# Allegro board REF_038HX-888005K4R-A100.brd (continued)
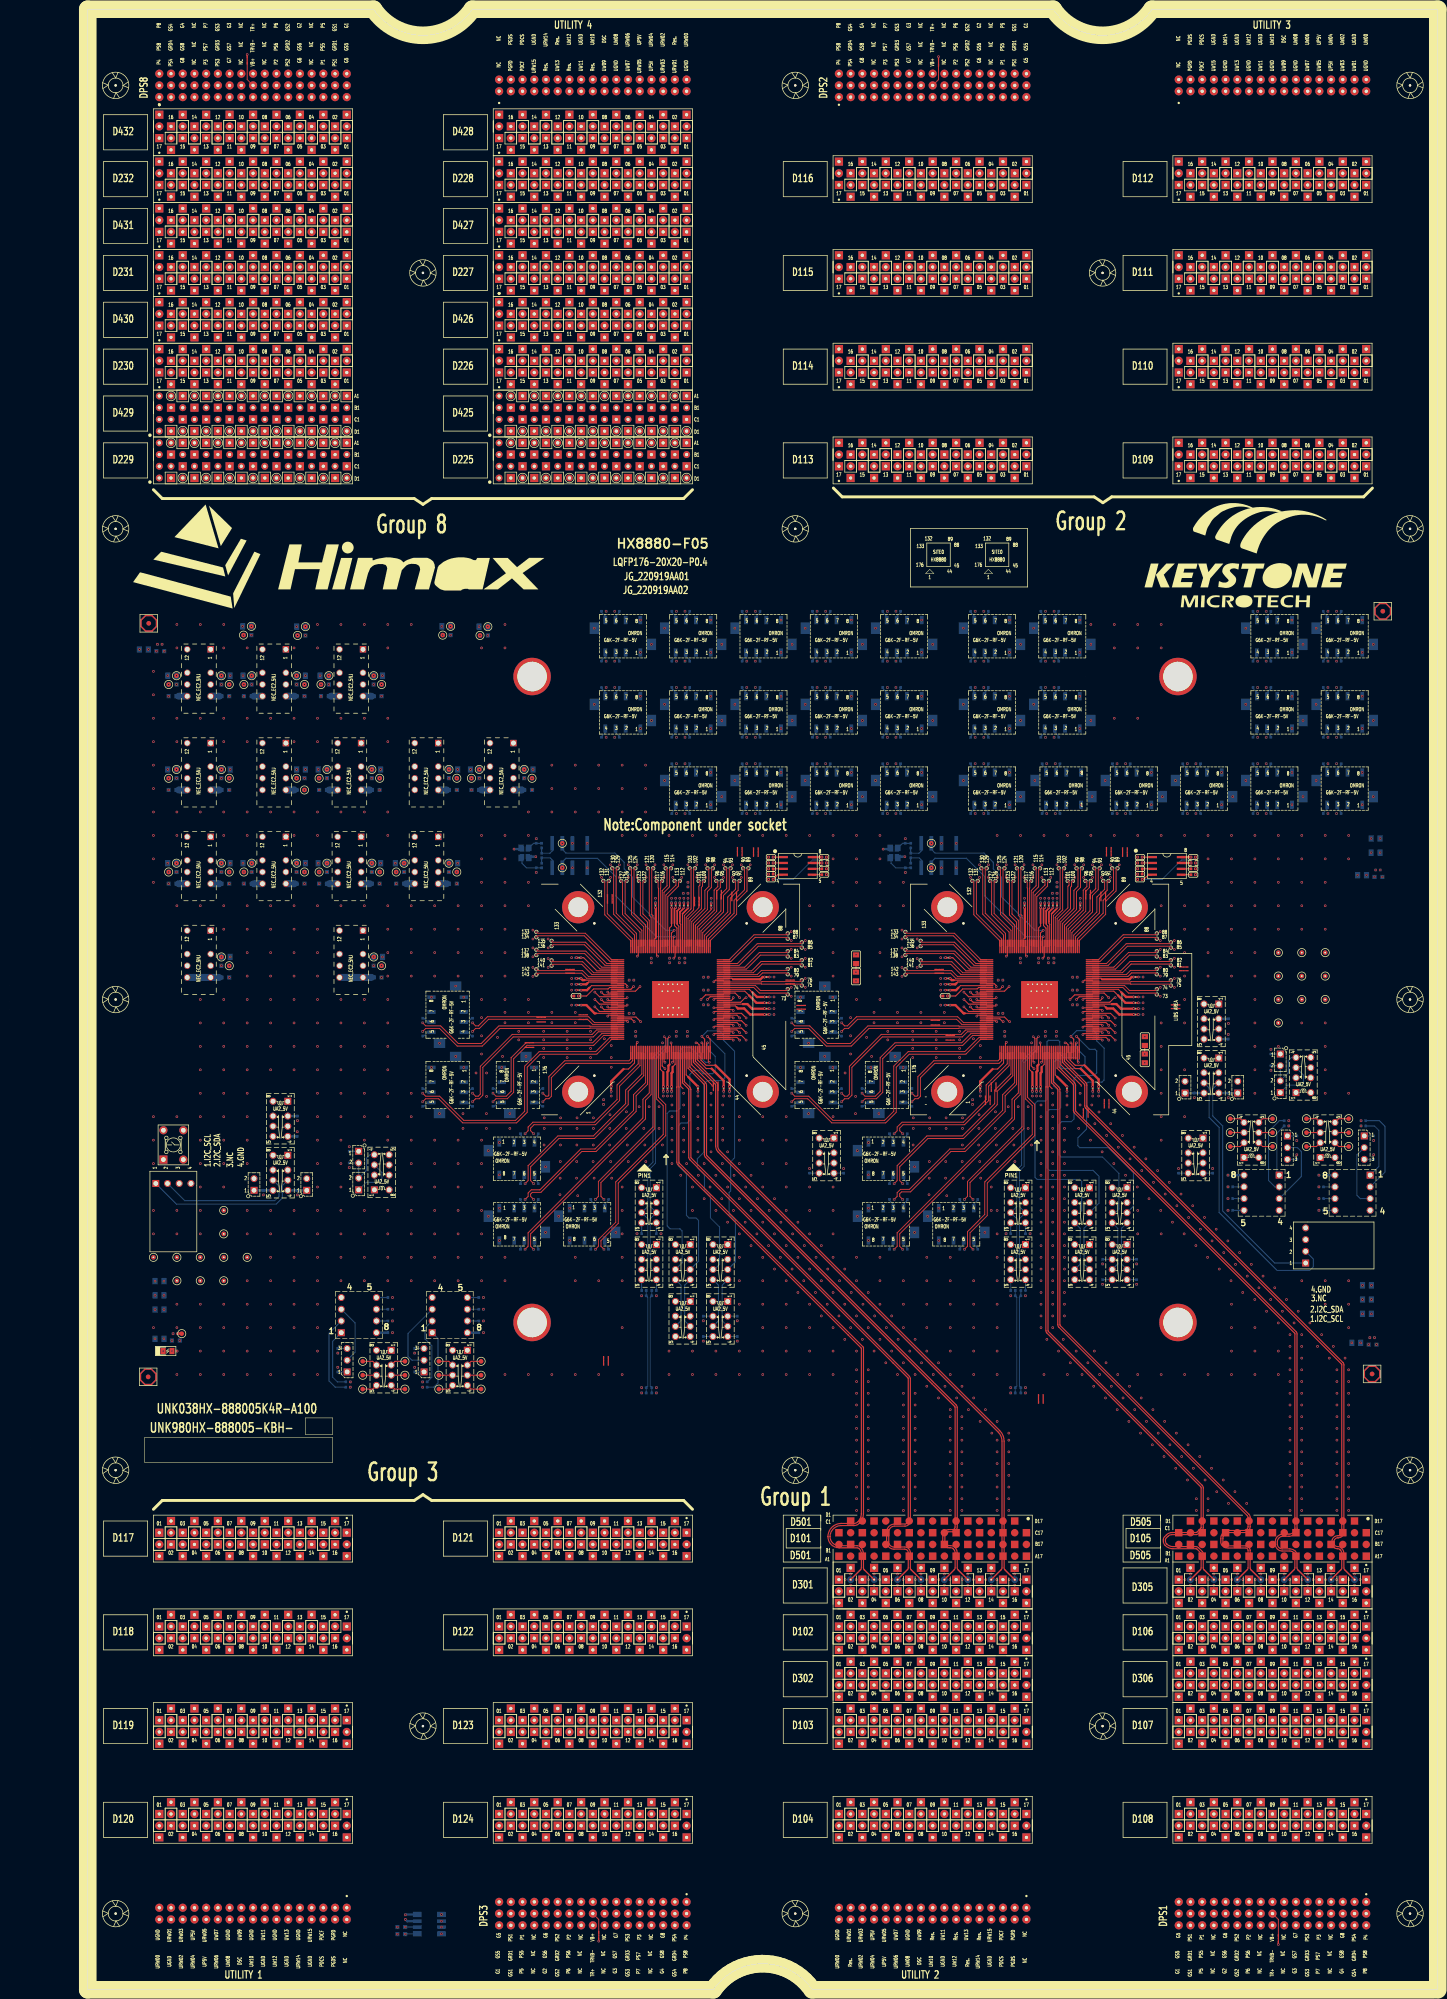
[diagram p0: board, top side]
## Placement (name value [footprint] x y rotation side) (continued)
UNK2RP9  0-5-S4  [R0402]  213.98 216.67 180 bottom
UNK2RP10  0-5-S4  [R0402]  209.43 223.09 270 bottom
UNK2RP11  0-5-S4  [R0402]  202.16 223.09 270 bottom
UNK2RP12  0-5-S4  [R0402]  197.86 218.83 0 bottom
UNK2RT1  10K-1-S4  [R0402]  228.07 244.22 0 top
UNK2RT2  10K-1-S4  [R0402]  228.07 245.49 0 top
UNK2RT3  10K-1-S4  [R0402]  228.07 241.81 180 top
UNK2RT4  10K-1-S4  [R0402]  228.07 240.67 180 top
UNK2RT5  NC/10K-1-S4  [R0402]  228.07 242.95 180 top
UNK2RT6  NC/10K-1-S4  [R0402]  239.63 245.49 180 top
UNK2RT7  NC/10K-1-S4  [R0402]  239.63 242.95 180 top
UNK2RT8  NC/10K-1-S4  [R0402]  239.63 241.68 180 top
UNK2RT9  RTD-100-S8  [R0805]  229.15 205.62 90 top
UNK2RT10  0-5-S8  [R0805]  229.13 201.86 90 top
UNK2S1_I2C  HDR-4X1-MR-A  [JP_4P_100_R90_V1]  264 157.51 0 top
UNK2S1_RST_N  HDR-2X1-M  [JP_2P_100]  258.5 194.46 180 bottom
UNK2SK1  UA2-5NJ-A-V3  [RL_NECUA2_5V_V3]  252.24 183.98 270 bottom
UNK2SK2  UA2-5NJ-A-V3  [RL_NECUA2_5V_V3]  268.75 183.98 270 bottom
UNK2TP_AUXVCC  TP01  [TP_040_T]  47.18 295.44 180 top
UNK2TP_AVDD11_RX  TP01  [TP_040_T]  19.24 284.81 180 top
UNK2TP_AVDD11_XTAL  TP01  [TP_040_T]  45.28 262.58 0 top
UNK2TP_AVDD18_RX  TP01  [TP_040_T]  28.97 284.81 0 top
UNK2TP_PLL_M_VDD33  TP01  [TP_040_T]  45.28 244.17 0 top
UNK2TP_PLL_TX_VDD33  TP01  [TP_040_T]  35.55 244.17 180 top
UNK2TP_VCC3V3  TP01  [TP_040_T]  35.47 295.51 180 top
UNK2TP_VDD_IO_33  TP01  [TP_040_T]  35.55 284.81 180 top
UNK2TP_VDD_TXREG_33_B  TP01  [TP_040_T]  28.97 244.17 0 top
UNK2TP_VDD_TXREG_33_T  TP01  [TP_040_T]  19.24 244.17 180 top
UNK2TP_VDDA_33_LV  TP01  [TP_040_T]  45.28 284.81 0 top
UNK2TP_VDDC_11  TP01  [TP_040_T]  28.97 223.85 0 top
UNK2TP_VDDTXPST_11_B  TP01  [TP_040_T]  28.97 264.49 0 top
UNK2TP_VDDTXPST_11_T  TP01  [TP_040_T]  19.24 264.49 180 top
UNK2TP_XTAL_IN  TP01  [TP_040_T]  182.86 243.18 0 top
UNK2TP_XTAL_OUT  TP01  [TP_040_T]  182.86 248.48 0 top
UNK2U1  SOLDER-DIP8-SOCKET  [DIP8_300X100_RLPIN]  258.26 176.56 180 bottom
UNK2U2  SOLDER-DIP8-SOCKET  [DIP8_300X100_RLPIN]  277.97 176.56 180 bottom
UNK2UT1  ADT7410TRZ-SO8  [SO8_244X127MM]  233.92 243.59 0 top
UNK2Y1  XTAL27M-S2520-ABRACON-10P  [XTAL_2X2P5MM_4P]  174.77 246.4 270 bottom
UNK2Y2  NC/XTAL27M-S3225-TXC-10P  [XTAL_3P2X2P5MM_4P_TXC_0201]  174.77 246.4 270 bottom
UNK038HX-888005K4R-A100  REF-CODE-PCB  [PCB_CODE]  -1.03 116.16 0 top
UNK980HX-888005-KBH-  REF-CODE-PCB  [PCB_CODE]  -17 217.75 0 top
UT1  ADT7410TRZ-SO8  [SO8_244X127MM]  153.92 243.59 0 top
UT_UP5V  TP01  [TP_040_T]  20.37 142.21 270 top
UTL1  V93K_UTL  [PG_VG93K_F_G3UTI1]  35.83 16.51 0 top
UTL2  V93K_UTL  [PG_VG93K_F_G1UTI2]  183.15 16.51 0 top
UTL3  V93K_UTL  [PG_VG93K_F_G2UTI3]  256.81 412.75 0 top
UTL4  V93K_UTL  [PG_VG93K_F_G8UTI4]  109.49 412.75 0 top
Y1  XTAL27M-S2520-ABRACON-10P  [XTAL_2X2P5MM_4P]  94.77 246.4 270 bottom
Y2  NC/XTAL27M-S3225-TXC-10P  [XTAL_3P2X2P5MM_4P_TXC_0201]  94.77 246.4 270 bottom

## Library data of the parts
2SH1-2SH28 SB1-SB3 SB8 SH1-SH28 = SHORT: User Part Number: PNXXXXXXXXXX; Tolerance: TOL
BD29-BD40 = BD120-3A-S8: User Part Number: PNXXXXXXXXXX; Tolerance: TOL
BR902 = 330-1-S4: User Part Number: PNXXXXXXXXXX; Tolerance: TOL
C3 C4 C7-C9 CB1 CB3 CB5 CB7 CB19 CT1 UNK2C3 UNK2C4 UNK2C7-UNK2C9 UNK2CT1 = 0.1U-16-X-S4-MU: User Part Number: PNXXXXXXXXXX; Tolerance: TOL
C5 C6 UNK2C5 UNK2C6 = 22P-50-N-S4-AVX: User Part Number: PNXXXXXXXXXX; Tolerance: TOL
CA1 CA3 CA5 CA7 CA9 CA11 CA14 CA16 CA18 CA20-CA29 CA31 CA32 CA34 CA35 CA37 CA38 CA40 UNK2CA1 UNK2CA3 UNK2CA5 UNK2CA7 UNK2CA9 UNK2CA11 UNK2CA14 UNK2CA16 UNK2CA18 UNK2CA20-UNK2CA29 UNK2CA31 UNK2CA32 UNK2CA34 UNK2CA35 UNK2CA37 UNK2CA38 UNK2CA40 = 10U-10-X6S-S6-MU: User Part Number: PNXXXXXXXXXX; Tolerance: TOL
CA2 CA4 CA6 CA8 CA10 CA12 CA13 CA15 CA17 CA19 CA30 CA33 CA36 CA39 UNK2CA2 UNK2CA4 UNK2CA6 UNK2CA8 UNK2CA10 UNK2CA12 UNK2CA13 UNK2CA15 UNK2CA17 UNK2CA19 UNK2CA30 UNK2CA33 UNK2CA36 UNK2CA39 = 47U-10-X5R-S8-TDK: User Part Number: PNXXXXXXXXXX; Tolerance: TOL
CB2 CB4 CB6 CB8 = 10U-25-X-S6: User Part Number: PNXXXXXXXXXX; Tolerance: TOL
CC1 CC4 CC6-CC9 CC11 CC13 CC19 CC22 CC25-CC37 CC39 UNK2CC1 UNK2CC4 UNK2CC6-UNK2CC9 UNK2CC11 UNK2CC13 UNK2CC19 UNK2CC22 UNK2CC25-UNK2CC37 UNK2CC39 = 0.47U-10-X6S-S2-TY: User Part Number: PNXXXXXXXXXX; Tolerance: TOL
CC2 CC20 CC23 UNK2CC2 UNK2CC20 UNK2CC23 = 4.7U-10-X6T-S4-MU: User Part Number: PNXXXXXXXXXX; Tolerance: TOL
CC15-CC17 CC38 CC40-CC42 UNK2CC15-UNK2CC17 UNK2CC38 UNK2CC40-UNK2CC42 = 4.7U-2.5-X6S-S2-MU: User Part Number: PNXXXXXXXXXX; Tolerance: TOL
CD1 CD3-CD25 UNK2CD1 UNK2CD3-UNK2CD25 = 0.1U-10-X7R-S2-MU: User Part Number: PNXXXXXXXXXX; Tolerance: TOL
CSDPS225 CSDPS229 CSDPS425 CSDPS429 = V93K_CSDPS_DPS32: User Part Number: PNXXXXXXXXXX; Tolerance: TOL
D101/D501 D105/D505 = V93K_PS1600_HD: User Part Number: PNXXXXXXXXXX; Tolerance: TOL
D102-D104 D106-D124 D226-D228 D230-D232 D301 D302 D305 D306 D426-D428 D430-D432 = V93K_CH: Tolerance: TOL; User Part Number: PNXXXXXXXXXX
DPS1-DPS3 DPS8 = V93K_DPS: Tolerance: TOL; User Part Number: PNXXXXXXXXXX
FD1-FD8 = FD_040_V2: Tolerance: TOL; User Part Number: PNXXXXXXXXXX
GND1-GND14 SK1_2-SK1_7 SK2_2-SK2_7 TP_AUXVCC TP_AVDD11_RX TP_AVDD11_XTAL TP_AVDD18_RX TP_PLL_M_VDD33 TP_PLL_TX_VDD33 TP_VCC3V3 TP_VDD_IO_33 TP_VDD_TXREG_33_B TP_VDD_TXREG_33_T TP_VDDA_33_LV TP_VDDC_11 TP_VDDTXPST_11_B TP_VDDTXPST_11_T TP_XTAL_IN TP_XTAL_OUT UNK1SK1_2-UNK1SK1_7 UNK1SK2_2-UNK1SK2_7 UNK2GND1-UNK2GND14 UNK2TP_AUXVCC UNK2TP_AVDD11_RX UNK2TP_AVDD11_XTAL UNK2TP_AVDD18_RX UNK2TP_PLL_M_VDD33 UNK2TP_PLL_TX_VDD33 UNK2TP_VCC3V3 UNK2TP_VDD_IO_33 UNK2TP_VDD_TXREG_33_B UNK2TP_VDD_TXREG_33_T UNK2TP_VDDA_33_LV UNK2TP_VDDC_11 UNK2TP_VDDTXPST_11_B UNK2TP_VDDTXPST_11_T UNK2TP_XTAL_IN UNK2TP_XTAL_OUT UT_UP5V = TP01: Tolerance: TOL; User Part Number: PNXXXXXXXXXX
HX8880-F05 LQFP176-20X20-P0.4 = REF-CODE-CHIP
J1 J4 J5 S1_RST_N UNK2J1 UNK2J4 UNK2J5 UNK2S1_RST_N = HDR-2X1-M: Tolerance: TOL; User Part Number: PNXXXXXXXXXX
J2 J3 UNK2J2 UNK2J3 = HDR-3X1-M: Tolerance: TOL; User Part Number: PNXXXXXXXXXX
JG_220919AA01 JG_220919AA02 = REF-CODE-SOCKET
K1-K8 K11 K16 K17 K21-K27 K29 K30 UNK2K1-UNK2K8 UNK2K11 UNK2K16 UNK2K17 UNK2K21-UNK2K27 UNK2K29 UNK2K30 = G6K-2F-RF-5V-A: Tolerance: TOL; User Part Number: PNXXXXXXXXXX
K9 K10 K12-K15 K19 K20 K28 K33 SK1 SK2 UNK2K9 UNK2K10 UNK2K12-UNK2K15 UNK2K19 UNK2K20 UNK2K28 UNK2K33 UNK2SK1 UNK2SK2 = UA2-5NJ-A-V3: Tolerance: TOL; User Part Number: PNXXXXXXXXXX
K18 UNK2K18 = UB2-5NU-B: Tolerance: TOL; User Part Number: PNXXXXXXXXXX
K31 K34 K36 K37 K39 K40 K42 UNK2K31 UNK2K34 UNK2K36 UNK2K37 UNK2K39 UNK2K40 UNK2K42 = EC2-5NJ-A: Tolerance: TOL; User Part Number: PNXXXXXXXXXX
LD902 = LDG-2-S8: User Part Number: PNXXXXXXXXXX; Tolerance: TOL
LOGO1 = LOGO_KT_KSMT
LOGO2 = LOGO_HX_Himax
R1 R2 R6 UNK2R1 UNK2R2 UNK2R6 = 1M-1-S4: User Part Number: PNXXXXXXXXXX; Tolerance: TOL
R3 R4 R85 UNK2R3 UNK2R4 UNK2R85 = 100K-1-S4: User Part Number: PNXXXXXXXXXX; Tolerance: TOL
R5 R118 R125-R130 R133 RP1-RP12 UNK2R5 UNK2R118 UNK2R125-UNK2R130 UNK2R133 UNK2RP1-UNK2RP12 = 0-5-S4: User Part Number: PNXXXXXXXXXX; Tolerance: TOL
R7-R80 R100-R105 UNK2R7-UNK2R80 UNK2R100-UNK2R105 = 49.9-1-S4: User Part Number: PNXXXXXXXXXX; Tolerance: TOL
R82-R84 R86-R99 R119 R120 UNK2R82-UNK2R84 UNK2R86-UNK2R99 UNK2R119 UNK2R120 = 4.7K-1-S4-WA: User Part Number: PNXXXXXXXXXX; Tolerance: TOL
R117 UNK2R117 = 1K-1-S4: User Part Number: PNXXXXXXXXXX; Tolerance: TOL
R131 R132 UNK2R131 UNK2R132 = 50-0.1-S4-HF-VI: User Part Number: PNXXXXXXXXXX; Tolerance: TOL
RB1 RB2 = 10K-1-S6: User Part Number: PNXXXXXXXXXX; Tolerance: TOL
RT1-RT8 UNK2RT1-UNK2RT8 = 10K-1-S4: User Part Number: PNXXXXXXXXXX; Tolerance: TOL
RT9 UNK2RT9 = RTD-100-S8: User Part Number: PNXXXXXXXXXX; Tolerance: TOL
RT10 UNK2RT10 = 0-5-S8: User Part Number: PNXXXXXXXXXX; Tolerance: TOL
S1_I2C UNK2S1_I2C = HDR-4X1-MR-A: Tolerance: TOL; User Part Number: PNXXXXXXXXXX
SCREW1 = V93KHSCREW: Tolerance: TOL; User Part Number: PNXXXXXXXXXX
SITE1 SITE2 = CU/HX8880-F05-LQFP176-20X20: User Part Number: PNXXXXXXXXXX; Tolerance: TOL
SKB1 = V93K_SKB_140X140MM: Tolerance: TOL; User Part Number: PNXXXXXXXXXX
SW1 = SW-TACTILE-1-D4.5: Tolerance: TOL; User Part Number: PNXXXXXXXXXX
TPL1-TPL20 = TPL01: Tolerance: TOL; User Part Number: PNXXXXXXXXXX
U1 U2 UNK2U1 UNK2U2 = MX25V4006EM1I-13G-SO8: User Part Number: PNXXXXXXXXXX; Tolerance: TOL
UB1 = AT24C08-D: User Part Number: PNXXXXXXXXXX; Tolerance: TOL
UNK2UT1 UT1 = ADT7410: Tolerance: TOL; User Part Number: PNXXXXXXXXXX
UNK2Y1 Y1 = XTAL27M-S2520-ABRACON-10P: User Part Number: PNXXXXXXXXXX; Tolerance: TOL
UNK2Y2 Y2 = XTAL27M-S3225-TXC-10P: User Part Number: PNXXXXXXXXXX; Tolerance: TOL
UNK038HX-888005K4R-A100 UNK980HX-888005-KBH- = REF-CODE-PCB
UTL1-UTL4 = V93K_UTL: User Part Number: PNXXXXXXXXXX; Tolerance: TOL

## Footprints (pads in the part's own frame, mm; a bottom-side part is the same pattern mirrored in y, then rotated)
C0201
  rect 0.305x0.356 smd: 1(-0.3,0) 2(0.3,0)
C0402
  custom 0.15x0.15 smd: 1(-0.5,0) 2(0.5,0)
C0603
  rect 0.889x0.889 smd: 1(-0.85,0) 2(0.85,0)
C0805
  rect 1.118x1.372 smd: 1(-0.95,0) 2(0.95,0)
CHIP_CODE
  round 0.051 smd: 1(0,0)
DEFAULT_SHORT_SMALL
  custom 0.07x0.07 smd: 1(-0.5,0) 2(0.5,0)
DIP8_300X100_RLPIN
  rect 1.524x1.524 hole 1.041: 1(0,0)
  round 1.524 hole 1.041: 2(0,-2.54) 3(0,-5.08) 4(0,-7.62) 5(7.62,-7.62) 6(7.62,-5.08) 7(7.62,-2.54) 8(7.62,0)
FB0805
  rect 1.118x1.372 smd: 1(-0.965,0) 2(0.965,0)
FD_040_V2
  round 1.016 smd: 1(0,0)
JP_2P_100
  rect 1.524x1.524 hole 1.016: 1(0,0)
  round 1.524 hole 1.016: 2(0,2.54)
JP_3P_100
  rect 1.524x1.524 hole 1.016: 1(0,0)
  round 1.524 hole 1.016: 2(0,2.54) 3(0,5.08)
JP_4P_100_R90_V1
  rect 1.524x1.524 hole 1.016: 1(0,0)
  round 1.524 hole 1.016: 2(0,2.54) 3(0,5.08) 4(0,7.62)
LED_0805
  rect 1.118x1.372 smd: 1(0.95,0) 2(-0.95,0)
LOGO_HX_HIMAX
  round 0.051 smd: 1(0.831,1.487)
LOGO_KT_KSMT
  round 0.051 smd: 1(-0.711,-0.711)
PCB_CODE
  round 0.051 smd: 1(0,0)
PG_VG93K_F_G1D102
  round 1.778 hole 0.711: 01(-20.32,-1.27) 02(-17.78,1.27) 03(-15.24,-1.27) 04(-12.7,1.27) 05(-10.16,-1.27) 06(-7.62,1.27) 07(-5.08,-1.27) 08(-2.54,1.27) 09(0,-1.27) 10(2.54,1.27) 11(5.08,-1.27) 12(7.62,1.27) 13(10.16,-1.27) 14(12.7,1.27) 15(15.24,-1.27) 16(17.78,1.27) 17(20.32,-1.27)
  rect 1.778x1.778 hole 0.711: A1(-20.32,-3.81) A2(-17.78,-1.27) A3(-15.24,-3.81) A4(-12.7,-1.27) A5(-10.16,-3.81) A6(-7.62,-1.27) A7(-5.08,-3.81) A8(-2.54,-1.27) A9(0,-3.81) A10(2.54,-1.27) A11(5.08,-3.81) A12(7.62,-1.27) A13(10.16,-3.81) A14(12.7,-1.27) A15(15.24,-3.81) A16(17.78,-1.27) A17(20.32,-3.81) B1(-20.32,1.27) B2(-17.78,3.81) B3(-15.24,1.27) B4(-12.7,3.81) B5(-10.16,1.27) B6(-7.62,3.81) B7(-5.08,1.27) B8(-2.54,3.81) B9(0,1.27) B10(2.54,3.81) B11(5.08,1.27) B12(7.62,3.81) B13(10.16,1.27) B14(12.7,3.81) B15(15.24,1.27) B16(17.78,3.81) B17(20.32,1.27)
PG_VG93K_F_G1D103
  round 1.778 hole 0.711: 01(-20.32,-1.27) 02(-17.78,1.27) 03(-15.24,-1.27) 04(-12.7,1.27) 05(-10.16,-1.27) 06(-7.62,1.27) 07(-5.08,-1.27) 08(-2.54,1.27) 09(0,-1.27) 10(2.54,1.27) 11(5.08,-1.27) 12(7.62,1.27) 13(10.16,-1.27) 14(12.7,1.27) 15(15.24,-1.27) 16(17.78,1.27) 17(20.32,-1.27)
  rect 1.778x1.778 hole 0.711: A1(-20.32,-3.81) A2(-17.78,-1.27) A3(-15.24,-3.81) A4(-12.7,-1.27) A5(-10.16,-3.81) A6(-7.62,-1.27) A7(-5.08,-3.81) A8(-2.54,-1.27) A9(0,-3.81) A10(2.54,-1.27) A11(5.08,-3.81) A12(7.62,-1.27) A13(10.16,-3.81) A14(12.7,-1.27) A15(15.24,-3.81) A16(17.78,-1.27) A17(20.32,-3.81) B1(-20.32,1.27) B2(-17.78,3.81) B3(-15.24,1.27) B4(-12.7,3.81) B5(-10.16,1.27) B6(-7.62,3.81) B7(-5.08,1.27) B8(-2.54,3.81) B9(0,1.27) B10(2.54,3.81) B11(5.08,1.27) B12(7.62,3.81) B13(10.16,1.27) B14(12.7,3.81) B15(15.24,1.27) B16(17.78,3.81) B17(20.32,1.27)
PG_VG93K_F_G1D104
  round 1.778 hole 0.711: 01(-20.32,-1.27) 02(-17.78,1.27) 03(-15.24,-1.27) 04(-12.7,1.27) 05(-10.16,-1.27) 06(-7.62,1.27) 07(-5.08,-1.27) 08(-2.54,1.27) 09(0,-1.27) 10(2.54,1.27) 11(5.08,-1.27) 12(7.62,1.27) 13(10.16,-1.27) 14(12.7,1.27) 15(15.24,-1.27) 16(17.78,1.27) 17(20.32,-1.27)
  rect 1.778x1.778 hole 0.711: A1(-20.32,-3.81) A2(-17.78,-1.27) A3(-15.24,-3.81) A4(-12.7,-1.27) A5(-10.16,-3.81) A6(-7.62,-1.27) A7(-5.08,-3.81) A8(-2.54,-1.27) A9(0,-3.81) A10(2.54,-1.27) A11(5.08,-3.81) A12(7.62,-1.27) A13(10.16,-3.81) A14(12.7,-1.27) A15(15.24,-3.81) A16(17.78,-1.27) A17(20.32,-3.81) B1(-20.32,1.27) B2(-17.78,3.81) B3(-15.24,1.27) B4(-12.7,3.81) B5(-10.16,1.27) B6(-7.62,3.81) B7(-5.08,1.27) B8(-2.54,3.81) B9(0,1.27) B10(2.54,3.81) B11(5.08,1.27) B12(7.62,3.81) B13(10.16,1.27) B14(12.7,3.81) B15(15.24,1.27) B16(17.78,3.81) B17(20.32,1.27)
PG_VG93K_F_G1D106
  round 1.778 hole 0.711: 01(-20.32,-1.27) 02(-17.78,1.27) 03(-15.24,-1.27) 04(-12.7,1.27) 05(-10.16,-1.27) 06(-7.62,1.27) 07(-5.08,-1.27) 08(-2.54,1.27) 09(0,-1.27) 10(2.54,1.27) 11(5.08,-1.27) 12(7.62,1.27) 13(10.16,-1.27) 14(12.7,1.27) 15(15.24,-1.27) 16(17.78,1.27) 17(20.32,-1.27)
  rect 1.778x1.778 hole 0.711: A1(-20.32,-3.81) A2(-17.78,-1.27) A3(-15.24,-3.81) A4(-12.7,-1.27) A5(-10.16,-3.81) A6(-7.62,-1.27) A7(-5.08,-3.81) A8(-2.54,-1.27) A9(0,-3.81) A10(2.54,-1.27) A11(5.08,-3.81) A12(7.62,-1.27) A13(10.16,-3.81) A14(12.7,-1.27) A15(15.24,-3.81) A16(17.78,-1.27) A17(20.32,-3.81) B1(-20.32,1.27) B2(-17.78,3.81) B3(-15.24,1.27) B4(-12.7,3.81) B5(-10.16,1.27) B6(-7.62,3.81) B7(-5.08,1.27) B8(-2.54,3.81) B9(0,1.27) B10(2.54,3.81) B11(5.08,1.27) B12(7.62,3.81) B13(10.16,1.27) B14(12.7,3.81) B15(15.24,1.27) B16(17.78,3.81) B17(20.32,1.27)
PG_VG93K_F_G1D107
  round 1.778 hole 0.711: 01(-20.32,-1.27) 02(-17.78,1.27) 03(-15.24,-1.27) 04(-12.7,1.27) 05(-10.16,-1.27) 06(-7.62,1.27) 07(-5.08,-1.27) 08(-2.54,1.27) 09(0,-1.27) 10(2.54,1.27) 11(5.08,-1.27) 12(7.62,1.27) 13(10.16,-1.27) 14(12.7,1.27) 15(15.24,-1.27) 16(17.78,1.27) 17(20.32,-1.27)
  rect 1.778x1.778 hole 0.711: A1(-20.32,-3.81) A2(-17.78,-1.27) A3(-15.24,-3.81) A4(-12.7,-1.27) A5(-10.16,-3.81) A6(-7.62,-1.27) A7(-5.08,-3.81) A8(-2.54,-1.27) A9(0,-3.81) A10(2.54,-1.27) A11(5.08,-3.81) A12(7.62,-1.27) A13(10.16,-3.81) A14(12.7,-1.27) A15(15.24,-3.81) A16(17.78,-1.27) A17(20.32,-3.81) B1(-20.32,1.27) B2(-17.78,3.81) B3(-15.24,1.27) B4(-12.7,3.81) B5(-10.16,1.27) B6(-7.62,3.81) B7(-5.08,1.27) B8(-2.54,3.81) B9(0,1.27) B10(2.54,3.81) B11(5.08,1.27) B12(7.62,3.81) B13(10.16,1.27) B14(12.7,3.81) B15(15.24,1.27) B16(17.78,3.81) B17(20.32,1.27)
PG_VG93K_F_G1D108
  round 1.778 hole 0.711: 01(-20.32,-1.27) 02(-17.78,1.27) 03(-15.24,-1.27) 04(-12.7,1.27) 05(-10.16,-1.27) 06(-7.62,1.27) 07(-5.08,-1.27) 08(-2.54,1.27) 09(0,-1.27) 10(2.54,1.27) 11(5.08,-1.27) 12(7.62,1.27) 13(10.16,-1.27) 14(12.7,1.27) 15(15.24,-1.27) 16(17.78,1.27) 17(20.32,-1.27)
  rect 1.778x1.778 hole 0.711: A1(-20.32,-3.81) A2(-17.78,-1.27) A3(-15.24,-3.81) A4(-12.7,-1.27) A5(-10.16,-3.81) A6(-7.62,-1.27) A7(-5.08,-3.81) A8(-2.54,-1.27) A9(0,-3.81) A10(2.54,-1.27) A11(5.08,-3.81) A12(7.62,-1.27) A13(10.16,-3.81) A14(12.7,-1.27) A15(15.24,-3.81) A16(17.78,-1.27) A17(20.32,-3.81) B1(-20.32,1.27) B2(-17.78,3.81) B3(-15.24,1.27) B4(-12.7,3.81) B5(-10.16,1.27) B6(-7.62,3.81) B7(-5.08,1.27) B8(-2.54,3.81) B9(0,1.27) B10(2.54,3.81) B11(5.08,1.27) B12(7.62,3.81) B13(10.16,1.27) B14(12.7,3.81) B15(15.24,1.27) B16(17.78,3.81) B17(20.32,1.27)
PG_VG93K_F_G1D301
  round 1.778 hole 0.711: 01(-20.32,-1.27) 03(-15.24,-1.27) 05(-10.16,-1.27) 07(-5.08,-1.27) 09(0,-1.27) 11(5.08,-1.27) 13(10.16,-1.27) 15(15.24,-1.27) 17(20.32,-1.27)
  round 0.66 hole 0.356: 02(-17.78,1.27) 04(-12.7,1.27) 06(-7.62,1.27) 08(-2.54,1.27) 10(2.54,1.27) 12(7.62,1.27) 14(12.7,1.27) 16(17.78,1.27)
  rect 1.778x1.778 hole 0.711: A1(-20.32,-3.81) A2(-17.78,-1.27) A3(-15.24,-3.81) A4(-12.7,-1.27) A5(-10.16,-3.81) A6(-7.62,-1.27) A7(-5.08,-3.81) A8(-2.54,-1.27) A9(0,-3.81) A10(2.54,-1.27) A11(5.08,-3.81) A12(7.62,-1.27) A13(10.16,-3.81) A14(12.7,-1.27) A15(15.24,-3.81) A16(17.78,-1.27) A17(20.32,-3.81) B1(-20.32,1.27) B2(-17.78,3.81) B3(-15.24,1.27) B4(-12.7,3.81) B5(-10.16,1.27) B6(-7.62,3.81) B7(-5.08,1.27) B8(-2.54,3.81) B9(0,1.27) B10(2.54,3.81) B11(5.08,1.27) B12(7.62,3.81) B13(10.16,1.27) B14(12.7,3.81) B15(15.24,1.27) B16(17.78,3.81) B17(20.32,1.27)
PG_VG93K_F_G1D302
  round 1.778 hole 0.711: 01(-20.32,-1.27) 02(-17.78,1.27) 03(-15.24,-1.27) 04(-12.7,1.27) 05(-10.16,-1.27) 06(-7.62,1.27) 07(-5.08,-1.27) 08(-2.54,1.27) 09(0,-1.27) 10(2.54,1.27) 11(5.08,-1.27) 12(7.62,1.27) 13(10.16,-1.27) 14(12.7,1.27) 15(15.24,-1.27) 16(17.78,1.27) 17(20.32,-1.27)
  rect 1.778x1.778 hole 0.711: A1(-20.32,-3.81) A2(-17.78,-1.27) A3(-15.24,-3.81) A4(-12.7,-1.27) A5(-10.16,-3.81) A6(-7.62,-1.27) A7(-5.08,-3.81) A8(-2.54,-1.27) A9(0,-3.81) A10(2.54,-1.27) A11(5.08,-3.81) A12(7.62,-1.27) A13(10.16,-3.81) A14(12.7,-1.27) A15(15.24,-3.81) A16(17.78,-1.27) A17(20.32,-3.81) B1(-20.32,1.27) B2(-17.78,3.81) B3(-15.24,1.27) B4(-12.7,3.81) B5(-10.16,1.27) B6(-7.62,3.81) B7(-5.08,1.27) B8(-2.54,3.81) B9(0,1.27) B10(2.54,3.81) B11(5.08,1.27) B12(7.62,3.81) B13(10.16,1.27) B14(12.7,3.81) B15(15.24,1.27) B16(17.78,3.81) B17(20.32,1.27)
PG_VG93K_F_G1D305
  round 1.778 hole 0.711: 01(-20.32,-1.27) 03(-15.24,-1.27) 05(-10.16,-1.27) 07(-5.08,-1.27) 09(0,-1.27) 11(5.08,-1.27) 13(10.16,-1.27) 15(15.24,-1.27) 17(20.32,-1.27)
  round 0.66 hole 0.356: 02(-17.78,1.27) 04(-12.7,1.27) 06(-7.62,1.27) 08(-2.54,1.27) 10(2.54,1.27) 12(7.62,1.27) 14(12.7,1.27) 16(17.78,1.27)
  rect 1.778x1.778 hole 0.711: A1(-20.32,-3.81) A2(-17.78,-1.27) A3(-15.24,-3.81) A4(-12.7,-1.27) A5(-10.16,-3.81) A6(-7.62,-1.27) A7(-5.08,-3.81) A8(-2.54,-1.27) A9(0,-3.81) A10(2.54,-1.27) A11(5.08,-3.81) A12(7.62,-1.27) A13(10.16,-3.81) A14(12.7,-1.27) A15(15.24,-3.81) A16(17.78,-1.27) A17(20.32,-3.81) B1(-20.32,1.27) B2(-17.78,3.81) B3(-15.24,1.27) B4(-12.7,3.81) B5(-10.16,1.27) B6(-7.62,3.81) B7(-5.08,1.27) B8(-2.54,3.81) B9(0,1.27) B10(2.54,3.81) B11(5.08,1.27) B12(7.62,3.81) B13(10.16,1.27) B14(12.7,3.81) B15(15.24,1.27) B16(17.78,3.81) B17(20.32,1.27)
PG_VG93K_F_G1D306
  round 1.778 hole 0.711: 01(-20.32,-1.27) 02(-17.78,1.27) 03(-15.24,-1.27) 04(-12.7,1.27) 05(-10.16,-1.27) 06(-7.62,1.27) 07(-5.08,-1.27) 08(-2.54,1.27) 09(0,-1.27) 10(2.54,1.27) 11(5.08,-1.27) 12(7.62,1.27) 13(10.16,-1.27) 14(12.7,1.27) 15(15.24,-1.27) 16(17.78,1.27) 17(20.32,-1.27)
  rect 1.778x1.778 hole 0.711: A1(-20.32,-3.81) A2(-17.78,-1.27) A3(-15.24,-3.81) A4(-12.7,-1.27) A5(-10.16,-3.81) A6(-7.62,-1.27) A7(-5.08,-3.81) A8(-2.54,-1.27) A9(0,-3.81) A10(2.54,-1.27) A11(5.08,-3.81) A12(7.62,-1.27) A13(10.16,-3.81) A14(12.7,-1.27) A15(15.24,-3.81) A16(17.78,-1.27) A17(20.32,-3.81) B1(-20.32,1.27) B2(-17.78,3.81) B3(-15.24,1.27) B4(-12.7,3.81) B5(-10.16,1.27) B6(-7.62,3.81) B7(-5.08,1.27) B8(-2.54,3.81) B9(0,1.27) B10(2.54,3.81) B11(5.08,1.27) B12(7.62,3.81) B13(10.16,1.27) B14(12.7,3.81) B15(15.24,1.27) B16(17.78,3.81) B17(20.32,1.27)
PG_VG93K_F_G1DPS1
  round 1.778 hole 0.711: A01(-20.32,-2.54) A02(-17.78,-2.54) A03(-15.24,-2.54) A04(-12.7,-2.54) A05(-10.16,-2.54) A06(-7.62,-2.54) A07(-5.08,-2.54) A08(-2.54,-2.54) A09(0,-2.54) A10(2.54,-2.54) A11(5.08,-2.54) A12(7.62,-2.54) A13(10.16,-2.54) A14(12.7,-2.54) A15(15.24,-2.54) A16(17.78,-2.54) A17(20.32,-2.54) B01(-20.32,0) B02(-17.78,0) B03(-15.24,0) B04(-12.7,0) B05(-10.16,0) B06(-7.62,0) B07(-5.08,0) B08(-2.54,0) B09(0,0) B10(2.54,0) B11(5.08,0) B12(7.62,0) B13(10.16,0) B14(12.7,0) B15(15.24,0) B16(17.78,0) B17(20.32,0) C01(-20.32,2.54) C02(-17.78,2.54) C03(-15.24,2.54) C04(-12.7,2.54) C05(-10.16,2.54) C06(-7.62,2.54) C07(-5.08,2.54) C08(-2.54,2.54) C09(0,2.54) C10(2.54,2.54) C11(5.08,2.54) C12(7.62,2.54) C13(10.16,2.54) C14(12.7,2.54) C15(15.24,2.54) C16(17.78,2.54) C17(20.32,2.54)
PG_VG93K_F_G1UTI2
  round 1.778 hole 0.711: A01(-20.32,-1.27) A02(-17.78,-1.27) A03(-15.24,-1.27) A04(-12.7,-1.27) A05(-10.16,-1.27) A06(-7.62,-1.27) A07(-5.08,-1.27) A08(-2.54,-1.27) A09(0,-1.27) A10(2.54,-1.27) A11(5.08,-1.27) A12(7.62,-1.27) A13(10.16,-1.27) A14(12.7,-1.27) A15(15.24,-1.27) A16(17.78,-1.27) A17(20.32,-1.27) B01(-20.32,1.27) B02(-17.78,1.27) B03(-15.24,1.27) B04(-12.7,1.27) B05(-10.16,1.27) B06(-7.62,1.27) B07(-5.08,1.27) B08(-2.54,1.27) B09(0,1.27) B10(2.54,1.27) B11(5.08,1.27) B12(7.62,1.27) B13(10.16,1.27) B14(12.7,1.27) B15(15.24,1.27) B16(17.78,1.27) B17(20.32,1.27)
PG_VG93K_F_G2D109
  round 1.778 hole 0.711: 01(20.32,1.27) 02(17.78,-1.27) 03(15.24,1.27) 04(12.7,-1.27) 05(10.16,1.27) 06(7.62,-1.27) 07(5.08,1.27) 08(2.54,-1.27) 09(0,1.27) 10(-2.54,-1.27) 11(-5.08,1.27) 12(-7.62,-1.27) 13(-10.16,1.27) 14(-12.7,-1.27) 15(-15.24,1.27) 16(-17.78,-1.27) 17(-20.32,1.27)
  rect 1.778x1.778 hole 0.711: A1(20.32,3.81) A2(17.78,1.27) A3(15.24,3.81) A4(12.7,1.27) A5(10.16,3.81) A6(7.62,1.27) A7(5.08,3.81) A8(2.54,1.27) A9(0,3.81) A10(-2.54,1.27) A11(-5.08,3.81) A12(-7.62,1.27) A13(-10.16,3.81) A14(-12.7,1.27) A15(-15.24,3.81) A16(-17.78,1.27) A17(-20.32,3.81) B1(20.32,-1.27) B2(17.78,-3.81) B3(15.24,-1.27) B4(12.7,-3.81) B5(10.16,-1.27) B6(7.62,-3.81) B7(5.08,-1.27) B8(2.54,-3.81) B9(0,-1.27) B10(-2.54,-3.81) B11(-5.08,-1.27) B12(-7.62,-3.81) B13(-10.16,-1.27) B14(-12.7,-3.81) B15(-15.24,-1.27) B16(-17.78,-3.81) B17(-20.32,-1.27)
PG_VG93K_F_G2D110
  round 1.778 hole 0.711: 01(20.32,1.27) 02(17.78,-1.27) 03(15.24,1.27) 04(12.7,-1.27) 05(10.16,1.27) 06(7.62,-1.27) 07(5.08,1.27) 08(2.54,-1.27) 09(0,1.27) 10(-2.54,-1.27) 11(-5.08,1.27) 12(-7.62,-1.27) 13(-10.16,1.27) 14(-12.7,-1.27) 15(-15.24,1.27) 16(-17.78,-1.27) 17(-20.32,1.27)
  rect 1.778x1.778 hole 0.711: A1(20.32,3.81) A2(17.78,1.27) A3(15.24,3.81) A4(12.7,1.27) A5(10.16,3.81) A6(7.62,1.27) A7(5.08,3.81) A8(2.54,1.27) A9(0,3.81) A10(-2.54,1.27) A11(-5.08,3.81) A12(-7.62,1.27) A13(-10.16,3.81) A14(-12.7,1.27) A15(-15.24,3.81) A16(-17.78,1.27) A17(-20.32,3.81) B1(20.32,-1.27) B2(17.78,-3.81) B3(15.24,-1.27) B4(12.7,-3.81) B5(10.16,-1.27) B6(7.62,-3.81) B7(5.08,-1.27) B8(2.54,-3.81) B9(0,-1.27) B10(-2.54,-3.81) B11(-5.08,-1.27) B12(-7.62,-3.81) B13(-10.16,-1.27) B14(-12.7,-3.81) B15(-15.24,-1.27) B16(-17.78,-3.81) B17(-20.32,-1.27)
PG_VG93K_F_G2D111
  round 1.778 hole 0.711: 01(20.32,1.27) 02(17.78,-1.27) 03(15.24,1.27) 04(12.7,-1.27) 05(10.16,1.27) 06(7.62,-1.27) 07(5.08,1.27) 08(2.54,-1.27) 09(0,1.27) 10(-2.54,-1.27) 11(-5.08,1.27) 12(-7.62,-1.27) 13(-10.16,1.27) 14(-12.7,-1.27) 15(-15.24,1.27) 16(-17.78,-1.27) 17(-20.32,1.27)
  rect 1.778x1.778 hole 0.711: A1(20.32,3.81) A2(17.78,1.27) A3(15.24,3.81) A4(12.7,1.27) A5(10.16,3.81) A6(7.62,1.27) A7(5.08,3.81) A8(2.54,1.27) A9(0,3.81) A10(-2.54,1.27) A11(-5.08,3.81) A12(-7.62,1.27) A13(-10.16,3.81) A14(-12.7,1.27) A15(-15.24,3.81) A16(-17.78,1.27) A17(-20.32,3.81) B1(20.32,-1.27) B2(17.78,-3.81) B3(15.24,-1.27) B4(12.7,-3.81) B5(10.16,-1.27) B6(7.62,-3.81) B7(5.08,-1.27) B8(2.54,-3.81) B9(0,-1.27) B10(-2.54,-3.81) B11(-5.08,-1.27) B12(-7.62,-3.81) B13(-10.16,-1.27) B14(-12.7,-3.81) B15(-15.24,-1.27) B16(-17.78,-3.81) B17(-20.32,-1.27)
PG_VG93K_F_G2D112
  round 1.778 hole 0.711: 01(20.32,1.27) 02(17.78,-1.27) 03(15.24,1.27) 04(12.7,-1.27) 05(10.16,1.27) 06(7.62,-1.27) 07(5.08,1.27) 08(2.54,-1.27) 09(0,1.27) 10(-2.54,-1.27) 11(-5.08,1.27) 12(-7.62,-1.27) 13(-10.16,1.27) 14(-12.7,-1.27) 15(-15.24,1.27) 16(-17.78,-1.27) 17(-20.32,1.27)
  rect 1.778x1.778 hole 0.711: A1(20.32,3.81) A2(17.78,1.27) A3(15.24,3.81) A4(12.7,1.27) A5(10.16,3.81) A6(7.62,1.27) A7(5.08,3.81) A8(2.54,1.27) A9(0,3.81) A10(-2.54,1.27) A11(-5.08,3.81) A12(-7.62,1.27) A13(-10.16,3.81) A14(-12.7,1.27) A15(-15.24,3.81) A16(-17.78,1.27) A17(-20.32,3.81) B1(20.32,-1.27) B2(17.78,-3.81) B3(15.24,-1.27) B4(12.7,-3.81) B5(10.16,-1.27) B6(7.62,-3.81) B7(5.08,-1.27) B8(2.54,-3.81) B9(0,-1.27) B10(-2.54,-3.81) B11(-5.08,-1.27) B12(-7.62,-3.81) B13(-10.16,-1.27) B14(-12.7,-3.81) B15(-15.24,-1.27) B16(-17.78,-3.81) B17(-20.32,-1.27)
PG_VG93K_F_G2D113
  round 1.778 hole 0.711: 01(20.32,1.27) 02(17.78,-1.27) 03(15.24,1.27) 04(12.7,-1.27) 05(10.16,1.27) 06(7.62,-1.27) 07(5.08,1.27) 08(2.54,-1.27) 09(0,1.27) 10(-2.54,-1.27) 11(-5.08,1.27) 12(-7.62,-1.27) 13(-10.16,1.27) 14(-12.7,-1.27) 15(-15.24,1.27) 16(-17.78,-1.27) 17(-20.32,1.27)
  rect 1.778x1.778 hole 0.711: A1(20.32,3.81) A2(17.78,1.27) A3(15.24,3.81) A4(12.7,1.27) A5(10.16,3.81) A6(7.62,1.27) A7(5.08,3.81) A8(2.54,1.27) A9(0,3.81) A10(-2.54,1.27) A11(-5.08,3.81) A12(-7.62,1.27) A13(-10.16,3.81) A14(-12.7,1.27) A15(-15.24,3.81) A16(-17.78,1.27) A17(-20.32,3.81) B1(20.32,-1.27) B2(17.78,-3.81) B3(15.24,-1.27) B4(12.7,-3.81) B5(10.16,-1.27) B6(7.62,-3.81) B7(5.08,-1.27) B8(2.54,-3.81) B9(0,-1.27) B10(-2.54,-3.81) B11(-5.08,-1.27) B12(-7.62,-3.81) B13(-10.16,-1.27) B14(-12.7,-3.81) B15(-15.24,-1.27) B16(-17.78,-3.81) B17(-20.32,-1.27)
PG_VG93K_F_G2D114
  round 1.778 hole 0.711: 01(20.32,1.27) 02(17.78,-1.27) 03(15.24,1.27) 04(12.7,-1.27) 05(10.16,1.27) 06(7.62,-1.27) 07(5.08,1.27) 08(2.54,-1.27) 09(0,1.27) 10(-2.54,-1.27) 11(-5.08,1.27) 12(-7.62,-1.27) 13(-10.16,1.27) 14(-12.7,-1.27) 15(-15.24,1.27) 16(-17.78,-1.27) 17(-20.32,1.27)
  rect 1.778x1.778 hole 0.711: A1(20.32,3.81) A2(17.78,1.27) A3(15.24,3.81) A4(12.7,1.27) A5(10.16,3.81) A6(7.62,1.27) A7(5.08,3.81) A8(2.54,1.27) A9(0,3.81) A10(-2.54,1.27) A11(-5.08,3.81) A12(-7.62,1.27) A13(-10.16,3.81) A14(-12.7,1.27) A15(-15.24,3.81) A16(-17.78,1.27) A17(-20.32,3.81) B1(20.32,-1.27) B2(17.78,-3.81) B3(15.24,-1.27) B4(12.7,-3.81) B5(10.16,-1.27) B6(7.62,-3.81) B7(5.08,-1.27) B8(2.54,-3.81) B9(0,-1.27) B10(-2.54,-3.81) B11(-5.08,-1.27) B12(-7.62,-3.81) B13(-10.16,-1.27) B14(-12.7,-3.81) B15(-15.24,-1.27) B16(-17.78,-3.81) B17(-20.32,-1.27)